# Altium PCB ECU_FEST23_Rev1.PcbDoc (part 1 of 2) (continued)
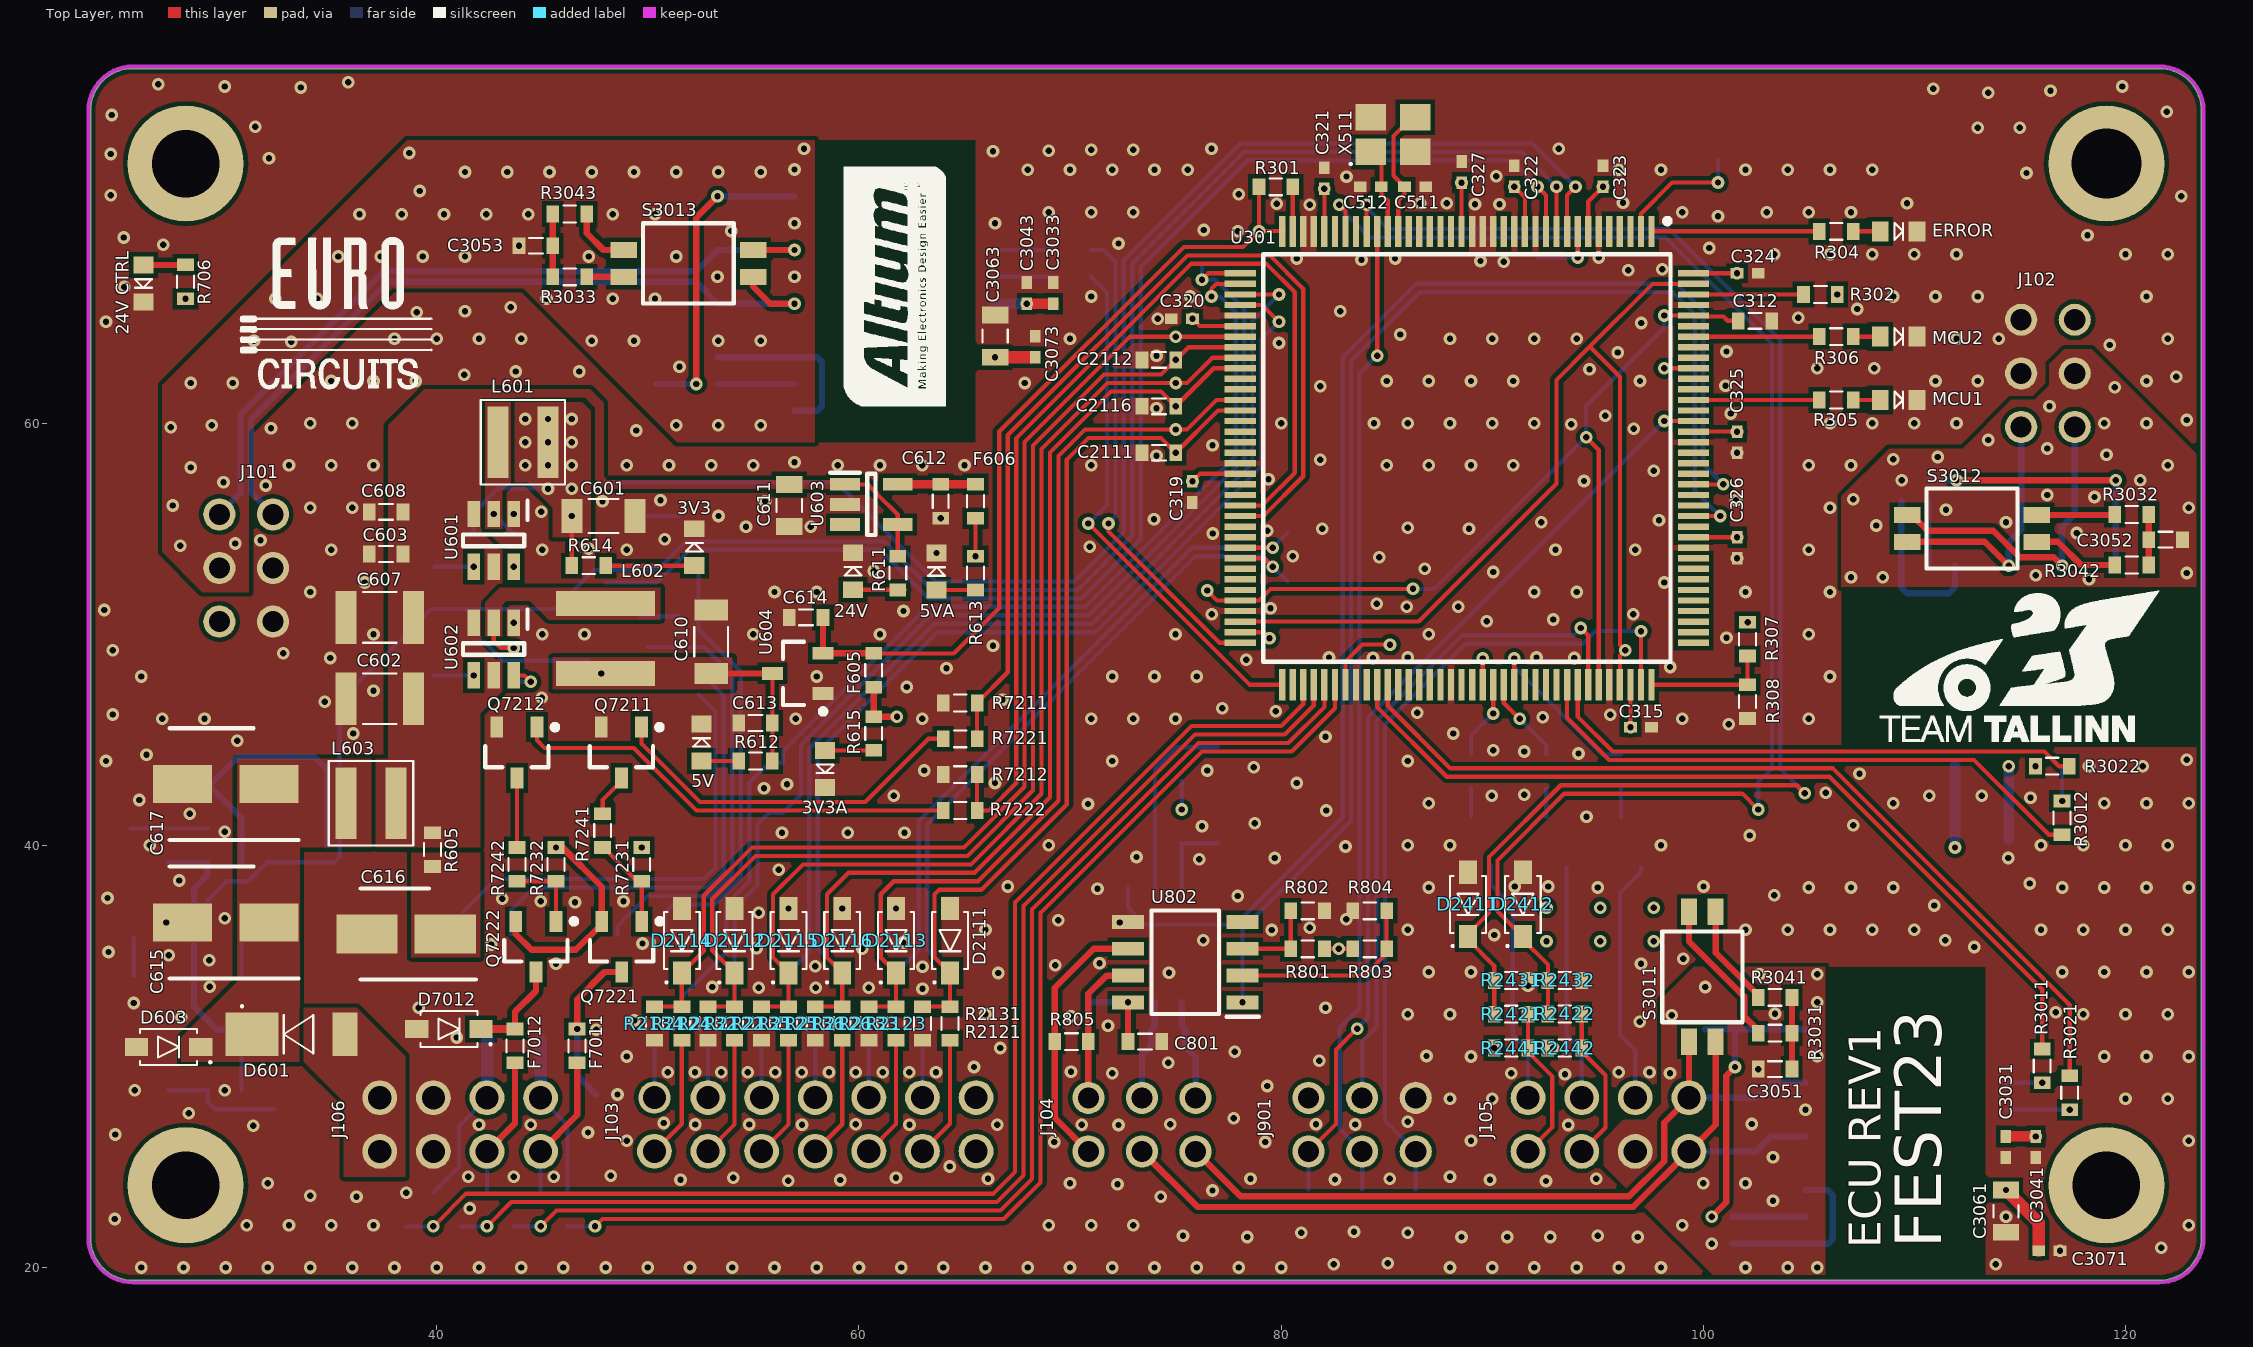
[diagram p0: Top Layer view]
## Classes and differential pairs (continued)
component class Connectors: J101 J102 J103 J104 J105 J106
component class CAN_CTRL3: C3013 C3023 C3033 C3043 C3053 C3063 C3073 C3083 C3093 L3013 L3023 R3013 R3023 R3033 R3043 S3013 U3013
component class CAN_CTRL2: C3012 C3022 C3032 C3042 C3052 C3062 C3072 C3082 C3092 L3012 L3022 R3012 R3022 R3032 R3042 S3012 U3012
component class CAN_CTRL1: C3011 C3021 C3031 C3041 C3051 C3061 C3071 C3081 C3091 L3011 L3021 R3011 R3021 R3031 R3041 S3011 U3011

## Components (designator, comment, footprint, x,y, rotation, side; value= is the part's Value field where it differs from the comment)
3V3 "SMLE13EC8TT86" DIOC1608X04N 52.2,54.124 r270 top
3V3A "SMLE13EC8TT86" DIOC1608X04N 58.4,43.625 r90 top
5V "SMLE13EC8TT86" DIOC1608X04N 52.55,44.875 r270 top
5VA "SMLE13EC8TT86" DIOC1608X04N 63.679,52.975 r270 top
24V "SMLE13EC8TT86" DIOC1608X04N 59.725,52.985 r270 top
"24V CTRL" "SMLE13EC8TT86" DIOC1608X04N 26.1,66.617 r90 top
C231 "47nF, 16V, 0603" "1608 [0603] CAP" 80.3,55.6 r90 bottom
C232 "47nF, 16V, 0603" "1608 [0603] CAP" 80.3,51.7 r270 bottom
C311 "2.2uF, 0603, ESR<100mR" "CAP [0603] 1608" 77.3,52.071 r180 bottom
C312 "2.2uF, 0603, ESR<100mR" "CAP [0603] 1608" 102.449,64.85 r180 top
C313 "100nF, 0402" "CAP [0402] 1005" 78.45,69.1 r180 bottom
C314 "1uF, 0603" "1608 [0603] CAP" 78.15,70.25 r180 bottom
C315 "100nF, 0402" "CAP [0402] 1005" 97.05,45.6 r0 top
C316 "100nF, 0402" "CAP [0402] 1005" 89.55,48.35 r270 bottom
C317 "100nF, 0402" "CAP [0402] 1005" 85.16,50.01 r90 bottom
C318 "100nF, 0402" "CAP [0402] 1005" 78.95,49.816 r180 bottom
C319 "100nF, 0402" "CAP [0402] 1005" 75.8,56.743 r270 top
C320 "100nF, 0402" "CAP [0402] 1005" 75.3,64.95 r180 top
C321 "100nF, 0402" "CAP [0402] 1005" 82.05,71.6 r90 top
C322 "100nF, 0402" "CAP [0402] 1005" 91.05,71.7 r90 top
C323 "100nF, 0402" "CAP [0402] 1005" 95.25,71.7 r90 top
C324 "100nF, 0402" "CAP [0402] 1005" 102.1,67.1 r0 top
C325 "100nF, 0402" "CAP [0402] 1005" 101.6,59.1 r270 top
C326 "100nF, 0402" "CAP [0402] 1005" 101.6,54.1 r270 top
C327 "100nF, 0402" "CAP [0402] 1005" 88.55,71.895 r90 top
C328 "4.7uF, 0603" "CAP [0603] 1608" 96.05,71.2 r0 bottom
C329 "100nF, 0402" "CAP [0402] 1005" 94.55,67.85 r0 bottom
C330 "1uF, 0603" "1608 [0603] CAP" 91.4,67.85 r180 bottom
C331 "4.7uF, 0603" "CAP [0603] 1608" 96.3,48.444 r270 bottom
C511 "16pF, 50V, 0402" "1005 [0402] CAP" 86.35,71.2 r0 top
C512 "16pF, 50V, 0402" "1005 [0402] CAP" 84.25,71.2 r0 top
C601 "100uF, 10V, 1206" "3216 [1206] CAP" 47.9,55.6 r0 top
C602 "3.3uF, 50V, 1210" "3225 [1210] CAP" 37.3,46.95 r180 top
C603 "100nF, 50V, 0603" "1608 [0603] CAP" 37.6,53.8 r180 top
C604 "100nF, 10V, 0603" "1608 [0603] CAP" 43.65,54 r90 bottom
C607 "3.3uF, 50V, 1210" "3225 [1210] CAP" 37.3,50.8 r180 top
C608 "100nF, 50V, 0603" "1608 [0603] CAP" 37.6,55.8 r180 top
C609 "100nF, 10V, 0603" "1608 [0603] CAP" 43.65,48.55 r90 bottom
C610 "47uF, 10V, 1206" "3216 [1206] CAP" 53,49.645 r90 top
C611 "1uF, 50V, 0805" "2012 [0805] CAP" 56.7,56.1 r270 top
C612 "1uF, 10V, 0603" "1608 [0603] CAP" 63.875,56.3 r270 top
C613 "1uF, 10V, 0603" "1608 [0603] CAP" 55.1,45.8 r180 top
C614 "1uF, 10V, 0603" "1608 [0603] CAP" 57.5,50.8 r180 top
C615 "22uF, 35V" CAPAE530X550N 30,36.348 r180 top
C616 "4.7uF, 35V" CAPAE430X550N 38.55,35.8 r180 top
C617 "22uF, 35V" CAPAE530X550N 30,42.9 r180 top
C703 "330nF, 50V, 0603" "1608 [0603] CAP" 25.5,40.005 r270 bottom
C704 "100nF, 50V, 0603" "1608 [0603] CAP" 26.5,28.4 r180 bottom
C801 "100nF, 0603" "1608 [0603] CAP" 73.55,30.7 r0 top
C802 "100nF, 0603" "1608 [0603] CAP" 71.001,33.36 r90 bottom
C901 "100nF, 0402" "CAP [0402] 1005" 85.05,63.2 r0 bottom
C2011 "22nF, 16V, 0402" "1005 [0402] CAP" 76.199,66 r180 bottom
C2012 "22nF, 16V, 0402" "1005 [0402] CAP" 76.75,67.46 r0 bottom
C2013 "22nF, 16V, 0402" "1005 [0402] CAP" 79.9,66.6 r90 bottom
C2014 "22nF, 16V, 0402" "1005 [0402] CAP" 79.9,64.3 r270 bottom
C2111 "1uF, 16V, 0603" "1608 [0603] CAP" 74.21,58.6 r180 top
C2112 "1uF, 16V, 0603" "1608 [0603] CAP" 74.21,63 r180 top
C2113 "1uF, 16V, 0603" "1608 [0603] CAP" 75.81,59.7 r0 bottom
C2114 "1uF, 16V, 0603" "1608 [0603] CAP" 75.81,64.1 r0 bottom
C2115 "1uF, 16V, 0603" "1608 [0603] CAP" 75.81,61.9 r0 bottom
C2116 "1uF, 16V, 0603" "1608 [0603] CAP" 74.21,60.8 r180 top
C2411 "0603" "1608 [0603] CAP" 84.85,70.35 r0 bottom
C2412 "0603" "1608 [0603] CAP" 81.95,70.35 r180 bottom
C3011 "100nF, 10V, 0402" "1005 [0402] CAP" 102.7,31.79 r90 bottom
C3012 "100nF, 10V, 0402" "1005 [0402] CAP" 120.045,56.2 r0 bottom
C3013 "100nF, 10V, 0402" "1005 [0402] CAP" 54.7,70.245 r270 bottom
C3021 "10nF, 16V, 0402" "1005 [0402] CAP" 101.5,31.79 r90 bottom
C3022 "10nF, 16V, 0402" "1005 [0402] CAP" 120.045,55.1 r0 bottom
C3023 "10nF, 16V, 0402" "1005 [0402] CAP" 53.3,70.245 r270 bottom
C3031 "10nF, 16V, 0402" "1005 [0402] CAP" 114.34,25.71 r270 top
C3032 "10nF, 16V, 0402" "1005 [0402] CAP" 113.965,40.3 r180 bottom
C3033 "10nF, 16V, 0402" "1005 [0402] CAP" 69.2,66.165 r90 top
C3041 "100nF, 10V, 0402" "1005 [0402] CAP" 115.746,25.71 r270 top (schematic designator C304)
C3042 "100nF, 10V, 0402" "1005 [0402] CAP" 113.965,41.6 r180 bottom (schematic designator C304)
C3043 "100nF, 10V, 0402" "1005 [0402] CAP" 67.95,66.165 r90 top
C3051 "4.7nF, 10V, 0603" "1608 [0603] CAP" 103.4,29.4 r0 top (schematic designator C305)
C3052 "4.7nF, 10V, 0603" "1608 [0603] CAP" 121.9,54.48 r180 top (schematic designator C305)
C3053 "4.7nF, 10V, 0603" "1608 [0603] CAP" 44.7,68.405 r0 top
C3061 "10uF, 10V, 0805" "2012 [0805] CAP" 114.34,22.67 r270 top (schematic designator C306)
C3062 "10uF, 10V, 0805" "2012 [0805] CAP" 110.925,39.9 r180 bottom (schematic designator C306)
C3063 "10uF, 10V, 0805" "2012 [0805] CAP" 66.45,64.125 r90 top
C3071 "100nF, 10V, 0402" "1005 [0402] CAP" 116.4,20.8 r0 top (schematic designator C307)
C3072 "100nF, 10V, 0402" "1005 [0402] CAP" 111.425,41.6 r180 bottom (schematic designator C307)
C3073 "100nF, 10V, 0402" "1005 [0402] CAP" 68.35,63.625 r90 top
C3081 "100nF, 10V, 0402" "1005 [0402] CAP" 102.7,21.8 r270 bottom (schematic designator C308)
C3082 "100nF, 10V, 0402" "1005 [0402] CAP" 110,55.1 r180 bottom (schematic designator C308)
C3083 "100nF, 10V, 0402" "1005 [0402] CAP" 54.7,62.5 r90 bottom
C3091 "10uF, 10V, 0805" "2012 [0805] CAP" 100.1,32.29 r90 bottom (schematic designator C309)
C3092 "10uF, 10V, 0805" "2012 [0805] CAP" 113,57.3 r0 bottom (schematic designator C309)
C3093 "10uF, 10V, 0805" "2012 [0805] CAP" 50.4,62.855 r90 bottom
D231 "3.3Vbr" SOD-123 61.76,35.485 r90 bottom
D232 "3.3Vbr" SOD-123 64.31,35.485 r90 bottom
D601 "30Vbr, 3A, 375mVf" SOD-128 33.45,31.05 r0 top
D603 "24Vbr" SOD-123 27.297,30.45 r180 top
D604 "30Vbr, 3A, 375mVf" SOD-128 37.1,32.6 r270 bottom
D701 "30Vbr, 5A, 360mVf" SOD-128 33.7,27.8 r270 bottom
D702 "24Vbr" SOD-123 34.925,74.45 r180 bottom
D703 "12Vbr" SOD-123 29.225,42.823 r0 bottom
D704 "0.85Vf, 20A surge" PMDE-2 29.775,39.205 r90 bottom
D901 "3.3Vbr" SOD-123 81.3,22.175 r270 bottom
D902 "3.3Vbr" SOD-123 83.84,22.175 r270 bottom
D903 "3.3Vbr" SOD-123 85.365,30.02 r0 bottom
D904 "3.3Vbr" SOD-123 86.38,22.175 r270 bottom
D2011 "3.3Vbr" SOD-123 57.925,43.9 r0 bottom
D2012 "3.3Vbr" SOD-123 57.925,41.55 r0 bottom
D2013 "3.3Vbr" SOD-123 56.66,35.485 r90 bottom
D2014 "3.3Vbr" SOD-123 59.21,35.485 r90 bottom
D2111 "3.3Vbr" SOD-123 64.31,35.485 r90 top
D2112 "3.3Vbr" SOD-123 54.11,35.485 r90 top
D2113 "3.3Vbr" SOD-123 61.76,35.485 r90 top
D2114 "3.3Vbr" SOD-123 51.61,35.485 r90 top
D2115 "3.3Vbr" SOD-123 56.66,35.485 r90 top
D2116 "3.3Vbr" SOD-123 59.21,35.485 r90 top
D2411 "3.3Vbr" SOD-123 88.85,37.206 r90 top
D2412 "3.3Vbr" SOD-123 91.45,37.206 r90 top
D4011 "3.3/5Vbr" SOD-123 96.78,31.825 r90 bottom
D4012 "3.3/5Vbr" SOD-123 94.24,31.825 r90 bottom
D4013 "3.3/5Vbr" SOD-123 91.7,31.825 r90 bottom
D7011 "24Vbr" SOD-123 47.55,26.675 r270 bottom
D7012 "24Vbr" SOD-123 40.575,31.3 r180 top
D7111 "24Vbr" SOD-123 47.55,31.725 r270 bottom
D7112 "24Vbr" SOD-123 40.2,31.725 r270 bottom
ERROR "Red" DIOC1608X04N 109.259,69.088 r180 top
F605 "0603, 32V, 250mA" "1608 [0603] RES" 60.7,48.295 r90 top
F606 "0603, 32V, 250mA" "1608 [0603] RES" 65.525,56.3 r90 top
F701 "1206, 65V, 3.5A" "3216 [1206] FUSE" 33.2,44.1 r90 bottom
F7011 "0603, 65V, 200mA" "1608 [0603] RES" 46.65,30.5 r270 top
F7012 "0603, 65V, 200mA" "1608 [0603] RES" 43.704,30.5 r270 top
F7111 "0603, 1.5A, 65V" "1608 [0603] RES" 44.92,31.7 r270 bottom
F7112 "0603, 1.5A, 65V" "1608 [0603] RES" 42.4,31.7 r270 bottom
J101 "Connector 2x3 Molex" "MOLEX C-GRID 6" 30.97,53.14 r270 top
J102 "Connector 2x3 Molex" "MOLEX C-GRID 6" 116.33,62.36 r90 top
J103 "Connector 2x7 Molex C-Grid" "Molex C-Grid 2x7 Pin_Right_Angle" 50.31,28.05 r0 top
J104 "Connector 2x3 Molex" "MOLEX C-GRID 6" 73.41,26.77 r0 top
J105 "90130-3208" "Molex C-Grid 2x4 Pin_Right_Angle" 101.76,15.022 r180 top
J106 "90130-3208" "Molex C-Grid 2x4 Pin_Right_Angle" 47.36,15.022 r180 top
J901 "Connector 2x3 Molex" "MOLEX C-GRID 6" 83.84,26.77 r0 top
L601 "6.8uH" XAL40XX 44.085,59.1 r0 top
L602 "10uH" Coilcraft_XAL5050 48,49.8 r270 top
L603 "2.2uH" XAL40XX 36.885,42 r0 top
L3011 "1.8kOhm, 100MHz, 0402" "1005 [0402] IND" 100.9,22.4 r180 bottom
L3012 "1.8kOhm, 100MHz, 0402" "1005 [0402] IND" 110.655,56.8 r90 bottom
L3013 "1.8kOhm, 100MHz, 0402" "1005 [0402] IND" 52.8,61.855 r180 bottom
L3021 "1.8kOhm, 100MHz, 0402" "1005 [0402] IND" 100.9,21.13 r180 bottom
L3022 "1.8kOhm, 100MHz, 0402" "1005 [0402] IND" 109.4,56.8 r90 bottom
L3023 "1.8kOhm, 100MHz, 0402" "1005 [0402] IND" 52.8,63.125 r180 bottom
MCU1 "Green" DIOC1608X04N 109.259,61.1 r180 top
MCU2 "Green" DIOC1608X04N 109.259,64.1 r180 top
Q701 "SISA12BDN-T1-GE3" "PowerPAK 1212-8 SINGLE" 35.12,41.1 r270 bottom
Q4011 "0.8Vth, 30Vds, 5A" SOT23 97.05,40.15 r270 bottom
Q4012 "0.8Vth, 30Vds, 5A" SOT23 93.515,40.15 r270 bottom
Q4013 "0.8Vth, 30Vds, 5A" SOT23 89.95,40.15 r270 bottom
Q7111 "2.1Vth, 60Vds, 400mA" SOT23 52.4,54.4 r270 bottom
Q7112 "2.1Vth, 60Vds, 400mA" SOT23 52.4,49.65 r270 bottom
Q7211 "2.1Vth, 60Vds, 400mA" SOT23 48.75,44.4 r270 top
Q7212 "2.1Vth, 60Vds, 400mA" SOT23 43.8,44.4 r270 top
Q7221 "" SOT95P237X112-3N 48.76,35.2 r270 top
Q7222 "" SOT95P237X112-3N 44.7,35.2 r270 top
R231 "100k, 0603" "1608 [0603] RES" 60.47,31.56 r90 bottom
R232 "16k, 0603" "1608 [0603] RES" 61.76,31.56 r90 bottom
R233 "100k, 0603" "1608 [0603] RES" 63.01,31.56 r90 bottom
R234 "16k, 0603" "1608 [0603] RES" 64.31,31.56 r90 bottom
R301 "47R, 0603" "1608 [0603] RES" 79.75,71.2 r0 top
R302 "1k, 0603" "RES [0603] 1608" 105.55,66.1 r180 top
R303 "1k, 0603" "RES [0603] 1608" 98.15,61.8 r270 bottom
R304 "1k, 0603" "RES [0603] 1608" 106.3,69.088 r0 top
R305 "1k, 0603" "RES [0603] 1608" 106.3,61.1 r0 top
R306 "1k, 0603" "RES [0603] 1608" 106.3,64.1 r0 top
R307 "1k, 0603" "1608 [0603] RES" 102.099,49.767 r90 top
R308 "1k, 0603" "1608 [0603] RES" 102.099,46.812 r90 top
R601 "100k, 0603, 1%" "1608 [0603] RES" 41.75,54 r90 bottom
R602 "22.1k, 0603, 1%" "1608 [0603] RES" 39.9,54 r270 bottom
R603 "162k, 0603, 1%" "1608 [0603] RES" 41.75,48.85 r90 bottom
R604 "22.1k, 0603, 1%" "1608 [0603] RES" 39.85,48.85 r270 bottom
R605 "100m, 0603" "1608 [0603] RES" 39.8,39.8 r90 top
R611 "100k, 100mW, 0603" "1608 [0603] RES" 61.841,52.9 r270 top
R612 "10k, 100mW, 0603" "1608 [0603] RES" 55.1,44 r180 top
R613 "10k, 100mW, 0603" "1608 [0603] RES" 65.525,52.9 r270 top
R614 "1k, 100mW, 0603" "1608 [0603] RES" 47.2,53.249 r0 top
R615 "1k, 100mW, 0603" "1608 [0603] RES" 60.7,45.3 r270 top
R701 "10k, 0603" "1608 [0603] RES" 25.65,36.4 r90 bottom
R702 "10k, 0603" "1608 [0603] RES" 29.95,37.4 r0 bottom
R703 "100k, 0603" "1608 [0603] RES" 29.95,28.4 r180 bottom
R704 "200k, 0603" "1608 [0603] RES" 27.25,40.005 r90 bottom
R705 "100k, 0603" "1608 [0603] RES" 29.95,40.805 r0 bottom
R706 "100k, 0603" "1608 [0603] RES" 28.1,66.7 r90 top
R707 "100k, 0603" "1608 [0603] RES" 100.7,73.45 r90 bottom
R708 "16k, 0603" "1608 [0603] RES" 100.7,70.6 r90 bottom
R709 "10k, 0603" "1608 [0603] RES" 29.95,35.6 r180 bottom
R801 "1k, 0603" "1608 [0603] RES" 81.26,35.1 r0 top
R802 "1k, 0603" "1608 [0603] RES" 81.26,36.9 r180 top
R803 "1k, 0603" "1608 [0603] RES" 84.2,35.1 r180 top
R804 "1k, 0603" "1608 [0603] RES" 84.2,36.9 r0 top
R805 "120R, 0603" "1608 [0603] RES" 70.07,30.7 r180 top
R806 "1k, 0603" "1608 [0603] RES" 75.29,40.9 r90 bottom
R807 "1k, 0603" "1608 [0603] RES" 77.01,40.9 r270 bottom
R808 "1k, 0603" "1608 [0603] RES" 75.29,43.85 r270 bottom
R809 "1k, 0603" "1608 [0603] RES" 77.01,43.85 r90 bottom
R810 "120R, 0603" "1608 [0603] RES" 74.65,30.6 r0 bottom
R2011 "200k, 0603, 0.1%" "1608 [0603] RES" 51.61,31.56 r90 bottom
R2012 "200k, 0603, 0.1%" "1608 [0603] RES" 54.11,31.56 r90 bottom
R2013 "200k, 0603, 0.1%" "1608 [0603] RES" 56.66,31.56 r90 bottom
R2014 "200k, 0603, 0.1%" "1608 [0603] RES" 59.21,31.56 r90 bottom
R2021 "100k, 0603, 0.1%" "1608 [0603] RES" 50.31,31.56 r270 bottom
R2022 "100k, 0603, 0.1%" "1608 [0603] RES" 52.85,31.56 r270 bottom
R2023 "100k, 0603, 0.1%" "1608 [0603] RES" 55.39,31.56 r270 bottom
R2024 "100k, 0603, 0.1%" "1608 [0603] RES" 57.93,31.56 r270 bottom
R2121 "2k, 0603, 0.1%" "1608 [0603] RES" 64.31,31.56 r90 top
R2122 "2k, 0603, 0.1%" "1608 [0603] RES" 54.11,31.56 r90 top
R2123 "2k, 0603, 0.1%" "1608 [0603] RES" 61.76,31.56 r90 top
R2124 "2k, 0603, 0.1%" "1608 [0603] RES" 51.61,31.56 r90 top
R2125 "2k, 0603, 0.1%" "1608 [0603] RES" 56.66,31.56 r90 top
R2126 "2k, 0603, 0.1%" "1608 [0603] RES" 59.21,31.56 r90 top
R2131 "10k, 0603, 0.1%" "1608 [0603] RES" 63.01,31.56 r90 top
R2132 "10k, 0603, 0.1%" "1608 [0603] RES" 52.85,31.56 r90 top
R2133 "10k, 0603, 0.1%" "1608 [0603] RES" 60.47,31.56 r90 top
R2134 "10k, 0603, 0.1%" "1608 [0603] RES" 50.31,31.56 r90 top
R2135 "10k, 0603, 0.1%" "1608 [0603] RES" 55.39,31.56 r90 top
R2136 "10k, 0603, 0.1%" "1608 [0603] RES" 57.93,31.56 r90 top
R2421 "0603" "1608 [0603] RES" 90.9,32 r180 top
R2422 "0603" "1608 [0603] RES" 93.44,32.015 r180 top
R2431 "0603" "1608 [0603] RES" 90.9,33.6 r180 top
R2432 "0603" "1608 [0603] RES" 93.44,33.6 r180 top
R2441 "0603" "1608 [0603] RES" 90.9,30.4 r180 top
R2442 "0603" "1608 [0603] RES" 93.44,30.4 r180 top
R3011 "1k, 100mW, 0603" "1608 [0603] RES" 116.057,29.55 r270 top
R3012 "1k, 100mW, 0603" "1608 [0603] RES" 117,41.3 r90 top
R3013 "1k, 100mW, 0603" "1608 [0603] RES" 70.2,68.205 r180 bottom
R3021 "1k, 100mW, 0603" "1608 [0603] RES" 117.36,28.28 r270 top
R3022 "1k, 100mW, 0603" "1608 [0603] RES" 116.535,43.75 r180 top
R3023 "1k, 100mW, 0603" "1608 [0603] RES" 70.2,66.935 r180 bottom
R3031 "60.4R, 100mW, 0603" "1608 [0603] RES" 103.4,31.1 r180 top
R3032 "60.4R, 100mW, 0603" "1608 [0603] RES" 120.3,55.68 r180 top
R3033 "60.4R, 100mW, 0603" "1608 [0603] RES" 46.3,66.935 r0 top
R3041 "60.4R, 100mW, 0603" "1608 [0603] RES" 103.4,32.8 r180 top
R3042 "60.4R, 100mW, 0603" "1608 [0603] RES" 120.3,53.28 r180 top
R3043 "60.4R, 100mW, 0603" "1608 [0603] RES" 46.3,69.905 r0 top
R4011 "300R, 0603" "1608 [0603] RES" 96.1,43.5 r90 bottom (schematic designator R401)
R4012 "300R, 0603" "1608 [0603] RES" 92.565,43.5 r90 bottom (schematic designator R401)
R4013 "300R, 0603" "1608 [0603] RES" 89,43.5 r90 bottom
R4021 "10k, 100mW, 0603" "1608 [0603] RES" 96.855,37.05 r180 bottom (schematic designator R402)
R4022 "10k, 100mW, 0603" "1608 [0603] RES" 94.315,37.05 r180 bottom (schematic designator R402)
R4023 "10k, 100mW, 0603" "1608 [0603] RES" 91.775,37.05 r180 bottom
R4031 "10k, 100mW, 0603" "1608 [0603] RES" 96.855,35.45 r180 bottom (schematic designator R403)
R4032 "10k, 100mW, 0603" "1608 [0603] RES" 94.315,35.45 r180 bottom (schematic designator R403)
R4033 "10k, 100mW, 0603" "1608 [0603] RES" 91.775,35.45 r180 bottom
R7111 "10k, 100mW, 0603" "1608 [0603] RES" 48,56.4 r270 bottom
R7112 "10k, 100mW, 0603" "1608 [0603] RES" 48,51.65 r270 bottom
R7121 "330R, 0603" "1608 [0603] RES" 49.65,56.4 r90 bottom
R7122 "330R, 0603" "1608 [0603] RES" 49.65,51.65 r90 bottom
R7131 "1k, 100mW, 0603" "1608 [0603] RES" 49.2,49.4 r180 bottom
R7132 "1k, 100mW, 0603" "1608 [0603] RES" 51.6,47.15 r180 bottom
R7141 "100k, 0603" "1608 [0603] RES" 46.2,22.75 r90 bottom
R7142 "100k, 0603" "1608 [0603] RES" 39.84,22.75 r90 bottom
R7151 "16k, 0603" "1608 [0603] RES" 47.5,22.75 r270 bottom
R7152 "16k, 0603" "1608 [0603] RES" 38.55,22.75 r270 bottom
R7211 "10k, 100mW, 0603" "1608 [0603] RES" 64.8,46.75 r180 top
R7212 "10k, 100mW, 0603" "1608 [0603] RES" 64.8,43.35 r180 top
R7221 "330R, 0603" "1608 [0603] RES" 64.8,45.05 r0 top
R7222 "330R, 0603" "1608 [0603] RES" 64.8,41.65 r0 top
R7231 "10k, 100mW, 0603" "1608 [0603] RES" 49.71,39.1 r90 top
R7232 "10k, 100mW, 0603" "1608 [0603] RES" 45.65,39.1 r90 top
R7241 "10k, 100mW, 0603" "1608 [0603] RES" 47.86,40.7 r90 top
R7242 "10k, 100mW, 0603" "1608 [0603] RES" 43.8,39.1 r90 top
R7251 "100k, 0603" "1608 [0603] RES" 44.92,22.75 r90 bottom
R7252 "100k, 0603" "1608 [0603] RES" 42.38,22.75 r90 bottom
R7261 "16k, 0603" "1608 [0603] RES" 43.65,22.75 r270 bottom
R7262 "16k, 0603" "1608 [0603] RES" 41.15,22.75 r270 bottom
S3011 "DIP Switch" "DIP - 2 channel" 99.32,30.7 r90 top
S3012 "DIP Switch" "DIP - 2 channel" 109.655,55.65 r0 top
S3013 "DIP Switch" "DIP - 2 channel" 55,66.935 r180 top
U301 "STM32H735ZGT6" LQFP144 88.8,58.35 r270 top
U601 "LMR51420XDDCR" SOT95P280X110-6N 42.7,54.45 r270 top
U602 "LMR51420XDDCR" SOT95P280X110-6N 42.7,49.3 r270 top
U603 "MCP1804T-5002I_OT" SOT95P270X145-5N 60.591,56.15 r0 top
U604 "XC6206P332MRN" SOT23 57.1,48.145 r180 top
U701 "LTC1255CS8#PBF" SOT127P599X175-8N 28.2,31.9 r0 bottom
U801 "MAX14783EESA+" SOIC127P600X175-8N 74.655,35.272 r270 bottom
U802 "MAX14783EESA+" SOIC127P600X175-8N 75.462,34.465 r180 top
U3011 "ADM3053BRWZ" SOIC-20 109.59,26.845 r180 bottom (schematic designator U301)
U3012 "ADM3053BRWZ" SOIC-20 115.1,48.5 r90 bottom (schematic designator U301)
U3013 "ADM3053BRWZ" SOIC-20 61.7,66.3 r180 bottom
U7111 "BTS6143D" TO114P998X235-5_6N 49.7,40.55 r90 bottom
U7112 "BTS6143D" TO114P998X235-5_6N 42.36,40.55 r90 bottom
X511 "25MHz, 18pF, 3.2 x 2.5 package" "3.2x2.5mm crystal" 85.3,73.675 r90 top

## Footprints (in the part's own frame and the unit in brackets; to place one, negate y for a bottom-side part, rotate by r counter-clockwise, add the part's x,y. Pads: shape width x height; smd on the part's side, far side on the other; paste and mask are expansions set on the pad)
"3.2x2.5mm crystal" [mm] "4-Leads, Body 2.50x3.20mm, Pitch 2.10mm, IPC Medium Density"
  rect 1.25x1.45 smd mask+0.05: 1(-0.825,1.05) 2(-0.825,-1.05) 3(0.825,-1.05) 4(0.825,1.05)
  silkscreen extent -1.45,1.95 -1.35,2.05, body extent -1.25,-1.6 1.25,1.6, height 0.91
"1005 [0402] CAP" [mm]
  rect 0.6x0.5 smd mask+0.05: 1(-0.5,0) 2(0.5,0)
  body extent -0.5,-0.25 0.5,0.25, height 0.49
"1005 [0402] IND" [mm]
  rect 0.6x0.5 smd mask+0.05: 1(-0.5,0) 2(0.5,0)
  body extent -0.56,-0.26 0.56,0.26, height 0.65
"1608 [0603] CAP" [mm]
  rect 0.6x0.8 smd mask+0.05: 1(-0.8,0) 2(0.8,0)
  silkscreen extent -0.33,-0.38 0.33,0.38, body extent -0.93,-0.41 0.93,0.41, height 0.81
"1608 [0603] RES" [mm]
  rect 0.6x0.8 smd mask+0.05: 1(-0.8,0) 2(0.8,0)
  silkscreen extent -0.3,-0.4 0.3,0.4, body extent -0.8,-0.4 0.8,0.4, height 0.46
"2012 [0805] CAP" [mm]
  rect 0.8x1.25 smd mask+0.05: 1(-1,0) 2(1,0)
  silkscreen extent -0.3,-0.6 0.3,0.6, body extent -1.09,-0.64 1.09,0.64, height 1.26
"3216 [1206] CAP" [mm]
  rect 1x1.6 smd mask+0.05: 1(-1.5,0) 2(1.5,0)
  silkscreen extent -0.7,-0.8 0.7,0.8, body extent -1.75,-0.81 1.75,0.81, height 1.61
"3216 [1206] FUSE" [mm]
  rect 1x1.6 smd mask+0.05: 1(-1.5,0) 2(1.5,0)
  silkscreen extent -0.7,-0.8 0.7,0.8, body extent -1.6,-0.83 1.6,0.83, height 0.56
"3225 [1210] CAP" [mm]
  rect 1x2.5 smd mask+0.05: 1(-1.6,0) 2(1.6,0)
  silkscreen extent -0.8,-1.2 0.8,1.2, body extent -1.6,-1.25 1.6,1.25, height 0.79
"CAP [0402] 1005" [mm]
  rect 0.6x0.5 smd: 1(-0.5,0) 2(0.5,0)
  body extent -0.5,-0.25 0.5,0.25, height 0.49
"CAP [0603] 1608" [mm]
  rect 0.6x0.8 smd: 1(-0.8,0) 2(0.8,0)
  silkscreen extent -0.3,-0.38 0.3,0.38, body extent -0.93,-0.41 0.93,0.41, height 0.81
CAPAE430X550N [mm]
  rect 2.9x1.85 smd: 1(-1.85,0) 2(1.85,0)
  silkscreen extent -3.3,-2.15 2.15,2.15, body extent -2.6,-2.25 2.6,2.25, height 5.5
CAPAE530X550N [mm]
  rect 2.8x1.8 smd: 1(-2.05,0) 2(2.05,0)
  silkscreen extent -3.45,-2.65 2.65,2.65, body extent -2.75,-2.75 2.75,2.75, height 5.5
Coilcraft_XAL5050 [mm]
  rect 1.18x4.7 smd: 1(-1.655,0) 2(1.655,0)
  body extent -2.65,-2.75 2.65,2.75, height 5.1
DIOC1608X04N [mm] "Chip Diode, 2-Leads, Body 1.60x0.80mm, IPC Medium Density"
  rect 0.8x0.95 smd: 1(-0.875,0) 2(0.875,0)
  silkscreen extent -0.2,-0.4 0.2,0.4, body extent -0.85,-0.45 0.85,0.45, height 0.9
"DIP - 2 channel" [mm]
  rect 1.25x0.76 smd: 1(0,0) 2(6.15,0) 3(0,-1.27) 4(6.15,-1.27)
  silkscreen extent 0.92,-2.54 5.23,1.26
LQFP144 [mm]
  rect 1.475x0.3 smd: 1(-10.738,8.75) 2(-10.738,8.25) 3(-10.738,7.75) 4(-10.738,7.25) 5(-10.738,6.75) 6(-10.738,6.25) 7(-10.738,5.75) 8(-10.738,5.25) 9(-10.738,4.75) 10(-10.738,4.25) 11(-10.738,3.75) 12(-10.738,3.25) 13(-10.738,2.75) 14(-10.738,2.25) 15(-10.738,1.75) 16(-10.738,1.25) 17(-10.738,0.75) 18(-10.738,0.25) 19(-10.738,-0.25) 20(-10.738,-0.75) 21(-10.738,-1.25) 22(-10.738,-1.75) 23(-10.738,-2.25) 24(-10.738,-2.75) 25(-10.738,-3.25) 26(-10.738,-3.75) 27(-10.738,-4.25) 28(-10.738,-4.75) 29(-10.738,-5.25) 30(-10.738,-5.75) 31(-10.738,-6.25) 32(-10.738,-6.75) 33(-10.738,-7.25) 34(-10.738,-7.75) 35(-10.738,-8.25) 36(-10.738,-8.75) 73(10.738,-8.75) 74(10.738,-8.25) 75(10.738,-7.75) 76(10.738,-7.25) 77(10.738,-6.75) 78(10.738,-6.25) 79(10.738,-5.75) 80(10.738,-5.25) 81(10.738,-4.75) 82(10.738,-4.25) 83(10.738,-3.75) 84(10.738,-3.25) 85(10.738,-2.75) 86(10.738,-2.25) 87(10.738,-1.75) 88(10.738,-1.25) 89(10.738,-0.75) 90(10.738,-0.25) 91(10.738,0.25) 92(10.738,0.75) 93(10.738,1.25) 94(10.738,1.75) 95(10.738,2.25) 96(10.738,2.75) 97(10.738,3.25) 98(10.738,3.75) 99(10.738,4.25) 100(10.738,4.75) 101(10.738,5.25) 102(10.738,5.75) 103(10.738,6.25) 104(10.738,6.75) 105(10.738,7.25) 106(10.738,7.75) 107(10.738,8.25) 108(10.738,8.75)
  rect 0.3x1.475 smd: 37(-8.75,-10.738) 38(-8.25,-10.738) 39(-7.75,-10.738) 40(-7.25,-10.738) 41(-6.75,-10.738) 42(-6.25,-10.738) 43(-5.75,-10.738) 44(-5.25,-10.738) 45(-4.75,-10.738) 46(-4.25,-10.738) 47(-3.75,-10.738) 48(-3.25,-10.738) 49(-2.75,-10.738) 50(-2.25,-10.738) 51(-1.75,-10.738) 52(-1.25,-10.738) 53(-0.75,-10.738) 54(-0.25,-10.738) 55(0.25,-10.738) 56(0.75,-10.738) 57(1.25,-10.738) 58(1.75,-10.738) 59(2.25,-10.738) 60(2.75,-10.738) 61(3.25,-10.738) 62(3.75,-10.738) 63(4.25,-10.738) 64(4.75,-10.738) 65(5.25,-10.738) 66(5.75,-10.738) 67(6.25,-10.738) 68(6.75,-10.738) 69(7.25,-10.738) 70(7.75,-10.738) 71(8.25,-10.738) 72(8.75,-10.738) 109(8.75,10.738) 110(8.25,10.738) 111(7.75,10.738) 112(7.25,10.738) 113(6.75,10.738) 114(6.25,10.738) 115(5.75,10.738) 116(5.25,10.738) 117(4.75,10.738) 118(4.25,10.738) 119(3.75,10.738) 120(3.25,10.738) 121(2.75,10.738) 122(2.25,10.738) 123(1.75,10.738) 124(1.25,10.738) 125(0.75,10.738) 126(0.25,10.738) 127(-0.25,10.738) 128(-0.75,10.738) 129(-1.25,10.738) 130(-1.75,10.738) 131(-2.25,10.738) 132(-2.75,10.738) 133(-3.25,10.738) 134(-3.75,10.738) 135(-4.25,10.738) 136(-4.75,10.738) 137(-5.25,10.738) 138(-5.75,10.738) 139(-6.25,10.738) 140(-6.75,10.738) 141(-7.25,10.738) 142(-7.75,10.738) 143(-8.25,10.738) 144(-8.75,10.738)